# KiCad board BigBoy.kicad_pcb
title: BigBoy
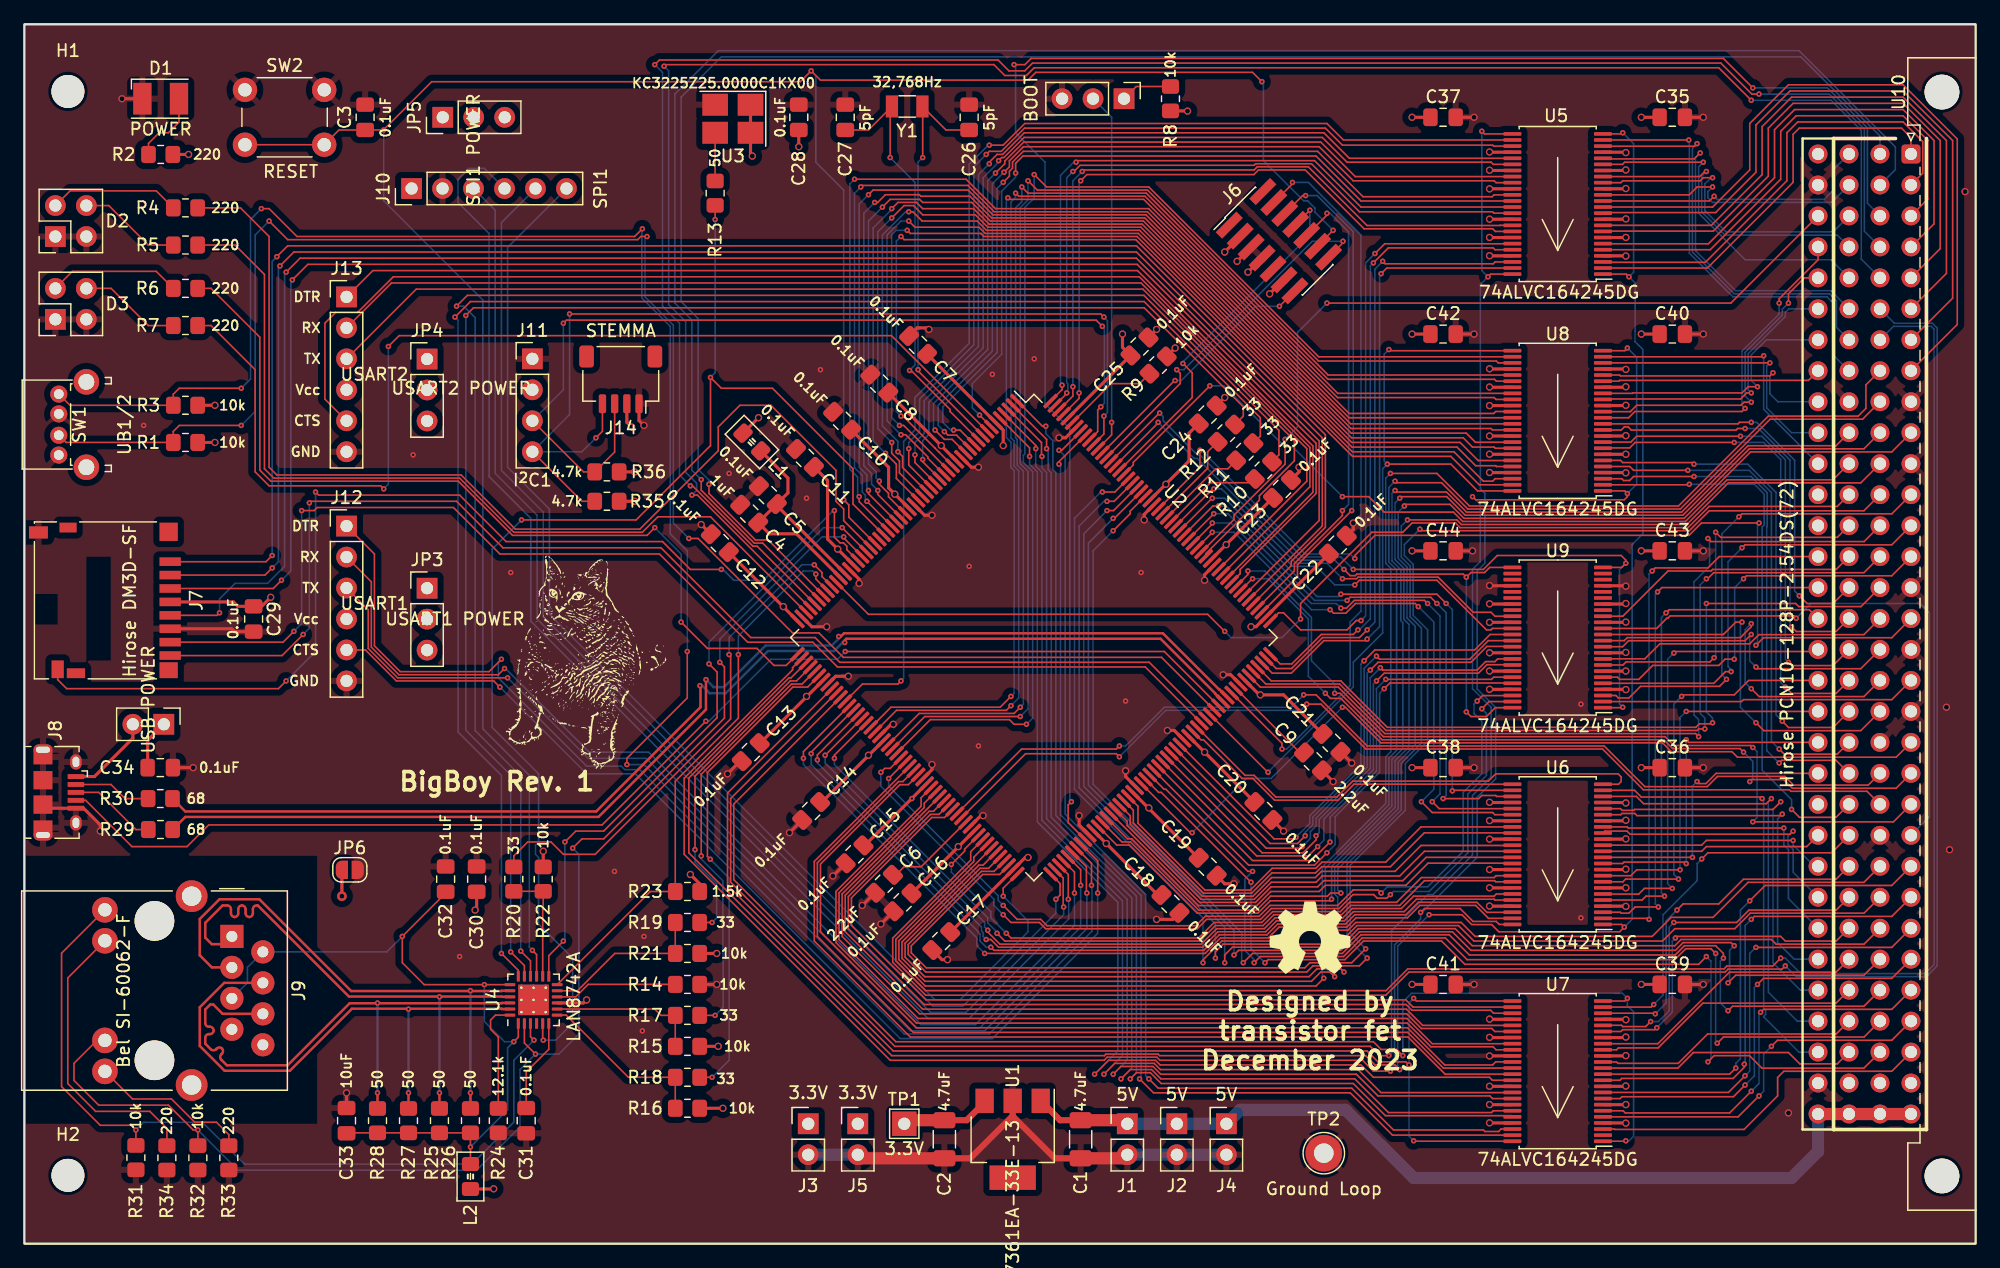
[diagram p0: board, top side]
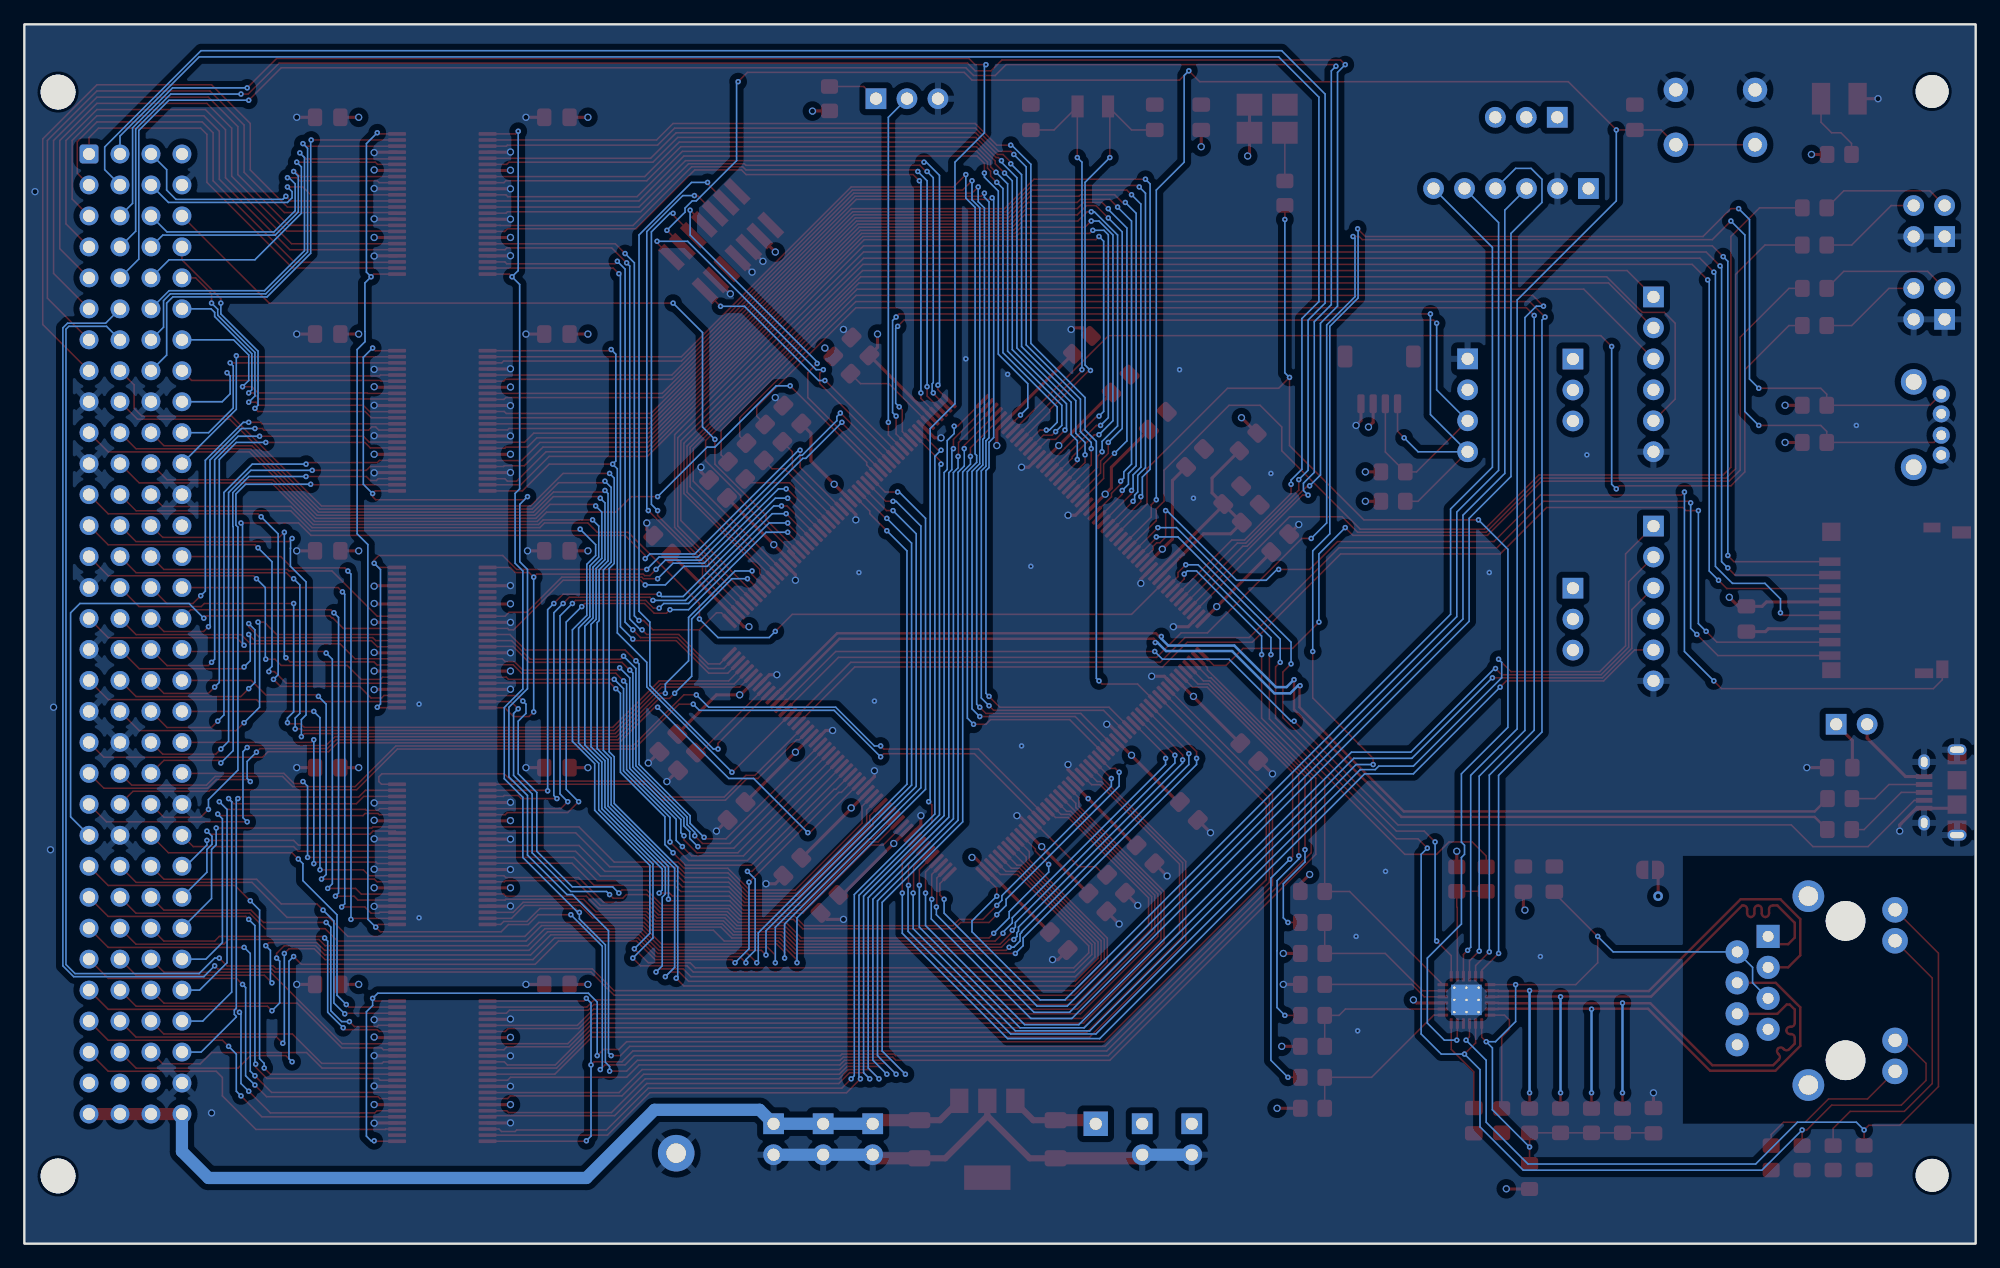
[diagram p1: board, bottom side, seen from below]

Outline 160 x 100 mm; copper layers: Top, In1.Cu, In2.Cu, Bottom. Coordinates in mm from the lower left corner of the outline.
Outline path: rectangle 0,100 160,0
Stack: Top 0.035mm / dielectric 0.1mm FR4 er 4.5 / In1.Cu 0.035mm / dielectric 1.24mm FR4 er 4.5 / In2.Cu 0.035mm / dielectric 0.1mm FR4 er 4.5 / Bottom 0.035mm

## Placement (name value [footprint] x y rotation side)
C1  4.7uF  [C_1206_3216Metric_Pad1.33x1.80mm_HandSolder]  86.61 8.56 270 top
C2  4.7uF  [C_1206_3216Metric_Pad1.33x1.80mm_HandSolder]  75.44 8.56 270 top
C3  0.1uF  [C_0805_2012Metric_Pad1.18x1.45mm_HandSolder]  27.94 92.38 90 top
C4  1uF  [C_0805_2012Metric_Pad1.18x1.45mm_HandSolder]  59.44 59.87 315 top
C5  0.1uF  [C_0805_2012Metric_Pad1.18x1.45mm_HandSolder]  60.96 61.39 315 top
C6  2.2uF  [C_0805_2012Metric_Pad1.18x1.45mm_HandSolder]  70.48 29.52 225 top
C7  0.1uF  [C_0805_2012Metric_Pad1.18x1.45mm_HandSolder]  73.28 73.71 135 top
C8  0.1uF  [C_0805_2012Metric_Pad1.18x1.45mm_HandSolder]  70.1 70.54 135 top
C9  2.2uF  [C_0805_2012Metric_Pad1.18x1.45mm_HandSolder]  105.66 39.55 315 top
C10  0.1uF  [C_0805_2012Metric_Pad1.18x1.45mm_HandSolder]  67.06 67.49 135 top
C11  0.1uF  [C_0805_2012Metric_Pad1.18x1.45mm_HandSolder]  64.01 64.44 135 top
C12  0.1uF  [C_0805_2012Metric_Pad1.18x1.45mm_HandSolder]  57.02 57.46 135 top
C13  0.1uF  [C_0805_2012Metric_Pad1.18x1.45mm_HandSolder]  59.56 40.31 225 top
C14  0.1uF  [C_0805_2012Metric_Pad1.18x1.45mm_HandSolder]  64.52 35.48 225 top
C15  0.1uF  [C_0805_2012Metric_Pad1.18x1.45mm_HandSolder]  68.07 31.93 225 top
C16  0.1uF  [C_0805_2012Metric_Pad1.18x1.45mm_HandSolder]  72.01 27.99 225 top
C17  0.1uF  [C_0805_2012Metric_Pad1.18x1.45mm_HandSolder]  75.18 24.82 225 top
C18  0.1uF  [C_0805_2012Metric_Pad1.18x1.45mm_HandSolder]  93.98 27.86 315 top
C19  0.1uF  [C_0805_2012Metric_Pad1.18x1.45mm_HandSolder]  97.03 30.91 315 top
C20  0.1uF  [C_0805_2012Metric_Pad1.18x1.45mm_HandSolder]  101.6 35.48 315 top
C21  0.1uF  [C_0805_2012Metric_Pad1.18x1.45mm_HandSolder]  107.19 41.07 315 top
C22  0.1uF  [C_0805_2012Metric_Pad1.18x1.45mm_HandSolder]  107.7 57.33 45 top
C23  0.1uF  [C_0805_2012Metric_Pad1.18x1.45mm_HandSolder]  103.12 61.9 45 top
C24  0.1uF  [C_0805_2012Metric_Pad1.18x1.45mm_HandSolder]  97.03 68 45 top
C25  0.1uF  [C_0805_2012Metric_Pad1.18x1.45mm_HandSolder]  91.44 73.58 45 top
C26  5pF  [C_0805_2012Metric_Pad1.18x1.45mm_HandSolder]  77.47 92.38 90 top
C27  5pF  [C_0805_2012Metric_Pad1.18x1.45mm_HandSolder]  67.31 92.38 90 top
C28  0.1uF  [C_0805_2012Metric_Pad1.18x1.45mm_HandSolder]  63.5 92.38 90 top
C29  0.1uF  [C_0805_2012Metric_Pad1.18x1.45mm_HandSolder]  18.8 51.23 270 top
C30  0.1uF  [C_0805_2012Metric_Pad1.18x1.45mm_HandSolder]  37.08 29.9 90 top
C31  0.1uF  [C_0805_2012Metric_Pad1.18x1.45mm_HandSolder]  41.15 10.08 270 top
C32  0.1uF  [C_0805_2012Metric_Pad1.18x1.45mm_HandSolder]  34.54 29.9 90 top
C33  10uF  [C_0805_2012Metric_Pad1.18x1.45mm_HandSolder]  26.42 10.08 90 top
C34  0.1uF  [C_0805_2012Metric_Pad1.18x1.45mm_HandSolder]  11.14 39.04 0 top
C35  0.1uF  [C_0805_2012Metric_Pad1.18x1.45mm_HandSolder]  135.13 92.38 180 top
C36  0.1uF  [C_0805_2012Metric_Pad1.18x1.45mm_HandSolder]  135.13 39.04 180 top
C37  0.1uF  [C_0805_2012Metric_Pad1.18x1.45mm_HandSolder]  116.33 92.38 0 top
C38  0.1uF  [C_0805_2012Metric_Pad1.18x1.45mm_HandSolder]  116.33 39.04 0 top
C39  0.1uF  [C_0805_2012Metric_Pad1.18x1.45mm_HandSolder]  135.13 21.26 180 top
C40  0.1uF  [C_0805_2012Metric_Pad1.18x1.45mm_HandSolder]  135.13 74.6 180 top
C41  0.1uF  [C_0805_2012Metric_Pad1.18x1.45mm_HandSolder]  116.33 21.26 0 top
C42  0.1uF  [C_0805_2012Metric_Pad1.18x1.45mm_HandSolder]  116.33 74.6 0 top
C43  0.1uF  [C_0805_2012Metric_Pad1.18x1.45mm_HandSolder]  135.13 56.82 180 top
C44  0.1uF  [C_0805_2012Metric_Pad1.18x1.45mm_HandSolder]  116.33 56.82 0 top
D1  POWER  [LED_PLCC-2_3.4x3.0mm_KA]  11.18 93.9 0 top
D2  Harvatek HV-32312  [Harvatek_HV-32312-260-2SUB]  3.81 83.87 0 top
D3  Harvatek HV-32312  [Harvatek_HV-32312-260-2SUB]  3.81 77.08 0 top
H1  MountingHole  [MountingHole_2.7mm_M2.5_DIN965]  3.57 94.5 0 top
H2  MountingHole  [MountingHole_2.7mm_M2.5_DIN965]  3.57 5.6 0 top
J1  5V  [PinHeader_1x02_P2.54mm_Vertical]  90.44 9.83 0 top
J2  5V  [PinHeader_1x02_P2.54mm_Vertical]  94.5 9.83 0 top
J3  3.3V  [PinHeader_1x02_P2.54mm_Vertical]  64.28 9.83 0 top
J4  5V  [PinHeader_1x02_P2.54mm_Vertical]  98.57 9.83 0 top
J5  3.3V  [PinHeader_1x02_P2.54mm_Vertical]  68.34 9.83 0 top
J6  Conn_ST_STDC14  [PinHeader_2x07_P1.27mm_Vertical_SMD]  102.87 82.22 45 top
J7  Hirose DM3D-SF  [microSD_HC_Hirose_DM3D-SF]  6.6 52.76 90 top
J8  Amphenol 10118194-0001LF  [USB_Micro-B_Amphenol_10118194_Horizontal]  2.82 37.01 270 top
J9  Bel SI-60062-F  [RJ45_Bel_SI-60062-F]  17.01 25.2 270 top
J10  SPI1  [PinHeader_1x06_P2.54mm_Vertical]  31.75 86.54 90 top
J11  I^{2}C1  [PinHeader_1x04_P2.54mm_Vertical]  41.66 72.57 0 top
J12  USART1  [PinHeader_1x06_P2.54mm_Vertical]  26.42 58.85 0 top
J13  USART2  [PinHeader_1x06_P2.54mm_Vertical]  26.42 77.65 0 top
J14  STEMMA  [JST_SH_SM04B-SRSS-TB_1x04-1MP_P1.00mm_Horizontal]  48.9 70.89 180 top
JP1  BOOT  [PinHeader_1x03_P2.54mm_Vertical]  90.17 93.9 270 top
JP2  USB POWER  [PinHeader_1x02_P2.54mm_Vertical]  11.44 42.6 270 top
JP3  USART1 POWER  [PinHeader_1x03_P2.54mm_Vertical]  33.02 53.76 0 top
JP4  USART2 POWER  [PinHeader_1x03_P2.54mm_Vertical]  33.02 72.55 0 top
JP5  SPI1 POWER  [PinHeader_1x03_P2.54mm_Vertical]  34.31 92.38 90 top
JP6  SH  [SolderJumper-2_P1.3mm_Open_RoundedPad1.0x1.5mm]  26.69 30.66 0 top
L1  600Ω @ 100MHz (MI0805K601R-10)  [Ferrite_0805_2012Metric_Pad1.15x1.40mm_BigPads]  59.65 65.75 135 top
L2  600Ω @ 100MHz (MI0805K601R-10)  [Ferrite_0805_2012Metric_Pad1.15x1.40mm_BigPads]  36.58 5.5 270 top
R1  10k  [R_0805_2012Metric_Pad1.20x1.40mm_HandSolder]  13.21 65.71 180 top
R2  220  [R_0805_2012Metric_Pad1.20x1.40mm_HandSolder]  11.18 89.33 180 top
R3  10k  [R_0805_2012Metric_Pad1.20x1.40mm_HandSolder]  13.21 68.76 180 top
R4  220  [R_0805_2012Metric_Pad1.20x1.40mm_HandSolder]  13.21 84.95 180 top
R5  220  [R_0805_2012Metric_Pad1.20x1.40mm_HandSolder]  13.21 81.9 180 top
R6  220  [R_0805_2012Metric_Pad1.20x1.40mm_HandSolder]  13.21 78.35 180 top
R7  220  [R_0805_2012Metric_Pad1.20x1.40mm_HandSolder]  13.21 75.3 180 top
R8  10k  [R_0805_2012Metric_Pad1.20x1.40mm_HandSolder]  93.98 93.9 90 top
R9  10k  [R_0805_2012Metric_Pad1.20x1.40mm_HandSolder]  92.96 72.06 225 top
R10  33  [R_0805_2012Metric_Pad1.20x1.40mm_HandSolder]  101.6 63.42 45 top
R11  33  [R_0805_2012Metric_Pad1.20x1.40mm_HandSolder]  100.08 64.95 45 top
R12  33  [R_0805_2012Metric_Pad1.20x1.40mm_HandSolder]  98.55 66.47 45 top
R13  50  [R_0805_2012Metric_Pad1.20x1.40mm_HandSolder]  56.64 86.16 270 top
R14  10k  [R_0805_2012Metric_Pad1.20x1.40mm_HandSolder]  54.37 21.26 0 top
R15  10k  [R_0805_2012Metric_Pad1.20x1.40mm_HandSolder]  54.37 16.18 180 top
R16  10k  [R_0805_2012Metric_Pad1.20x1.40mm_HandSolder]  54.37 11.1 180 top
R17  33  [R_0805_2012Metric_Pad1.20x1.40mm_HandSolder]  54.37 18.72 180 top
R18  33  [R_0805_2012Metric_Pad1.20x1.40mm_HandSolder]  54.37 13.64 180 top
R19  33  [R_0805_2012Metric_Pad1.20x1.40mm_HandSolder]  54.37 26.34 180 top
R20  33  [R_0805_2012Metric_Pad1.20x1.40mm_HandSolder]  40.13 29.9 270 top
R21  10k  [R_0805_2012Metric_Pad1.20x1.40mm_HandSolder]  54.37 23.8 180 top
R22  10k  [R_0805_2012Metric_Pad1.20x1.40mm_HandSolder]  42.55 29.9 270 top
R23  1.5k  [R_0805_2012Metric_Pad1.20x1.40mm_HandSolder]  54.37 28.88 180 top
R24  12.1k  [R_0805_2012Metric_Pad1.20x1.40mm_HandSolder]  38.86 10.08 270 top
R25  50  [R_0805_2012Metric_Pad1.20x1.40mm_HandSolder]  34.04 10.08 90 top
R26  50  [R_0805_2012Metric_Pad1.20x1.40mm_HandSolder]  36.58 10.08 90 top
R27  50  [R_0805_2012Metric_Pad1.20x1.40mm_HandSolder]  31.5 10.08 90 top
R28  50  [R_0805_2012Metric_Pad1.20x1.40mm_HandSolder]  28.96 10.08 90 top
R29  68  [R_0805_2012Metric_Pad1.20x1.40mm_HandSolder]  11.16 33.96 0 top
R30  68  [R_0805_2012Metric_Pad1.20x1.40mm_HandSolder]  11.14 36.5 0 top
R31  10k  [R_0805_2012Metric_Pad1.20x1.40mm_HandSolder]  9.14 7.05 270 top
R32  10k  [R_0805_2012Metric_Pad1.20x1.40mm_HandSolder]  14.22 7.04 270 top
R33  220  [R_0805_2012Metric_Pad1.20x1.40mm_HandSolder]  16.76 7.04 270 top
R34  220  [R_0805_2012Metric_Pad1.20x1.40mm_HandSolder]  11.68 7.04 270 top
R35  4.7k  [R_0805_2012Metric_Pad1.20x1.40mm_HandSolder]  47.77 60.88 180 top
R36  4.7k  [R_0805_2012Metric_Pad1.20x1.40mm_HandSolder]  47.77 63.3 180 top
S1  Logo_Open_Hardware_Small  [OSHW-Symbol_6.7x6mm_SilkScreen]  105.41 25.07 0 top
SW1  UB1/2  [E-Switch_TL2243]  2.82 67.18 90 top
SW2  RESET  [SW_PUSH_6mm]  18.09 94.63 0 top
TP1  3.3V  [TestPoint_THTPad_2.0x2.0mm_Drill1.0mm]  72.15 9.83 0 top
TP2  Ground Loop  [TestPoint_Loop_D2.60mm_Drill1.6mm_Beaded]  106.55 7.42 0 top
U1  AP7361EA-33E-13  [SOT-223]  81.04 8.56 270 top
U2  STM32H743BITx  [LQFP-208_28x28mm_P0.5mm]  82.78 49.71 315 top
U3  KC3225Z25.0000C1KX00  [Crystal_SMD_3225-4Pin_3.2x2.5mm_HandSoldering]  58.09 92.26 180 top
U4  LAN8742A  [VQFN-24-1EP_4x4mm_P0.5mm_EP2.5x2.5mm_ThermalVias]  41.75 19.99 90 top
U5  74ALVC164245DG  [TSSOP-48_6.1x12.5mm_P0.5mm]  125.73 85.27 180 top
U6  74ALVC164245DG  [TSSOP-48_6.1x12.5mm_P0.5mm]  125.73 31.93 180 top
U7  74ALVC164245DG  [TSSOP-48_6.1x12.5mm_P0.5mm]  125.73 14.15 180 top
U8  74ALVC164245DG  [TSSOP-48_6.1x12.5mm_P0.5mm]  125.73 67.49 180 top
U9  74ALVC164245DG  [TSSOP-48_6.1x12.5mm_P0.5mm]  125.73 49.71 180 top
U10  Hirose PCN10-128P-2.54DS(72)  [DIN41612_C_4x32_Male_Horizontal_THT]  154.7 89.37 270 top
Y1  32,768Hz  [Crystal_SMD_3215-2Pin_3.2x1.5mm]  72.39 93.27 180 top

## Library data of the parts
C1-C44 = -: Description: Unpolarized capacitor, small symbol
D1 = -: Description: Light emitting diode
D2 D3 = -: Description: Dual LED, cathodes on pins 2 and 4
H1 H2 = -: Description: Mounting Hole without connection
J1-J5 = -: Description: Generic connector, single row, 01x02, script generated (kicad-library-utils/schlib/autogen/connector/)
J6 = -: Description: ST Debug Connector, standard ARM Cortex-M SWD and JTAG interface plus UART
J7 = -: Description: Micro SD Card Socket with one card detection pin
J8 = -: Description: USB Micro Type B connector
J9 = -: Description: 1 Port RJ45 Magjack Connector Through Hole 10/100 Base-T, AutoMDIX
J10 J12 J13 = -: Description: Generic connector, single row, 01x06, script generated (kicad-library-utils/schlib/autogen/connector/)
J11 = -: Description: Generic connector, single row, 01x04, script generated (kicad-library-utils/schlib/autogen/connector/)
J14 = -: Description: Generic connector, single row, 01x04, script generated
JP1 JP3-JP5 = -: Description: Jumper, 3-pole, pins 1+2 closed/bridged
JP2 = -: Description: Jumper, 2-pole, open
JP6 = -: Description: Solder Jumper, 2-pole, open
L1 L2 = -: Description: Inductor with ferrite core, small symbol
R1-R36 = -: Description: Resistor, small symbol
S1 = -: Description: Open Hardware logo, small; Sim.Enable: 0
SW1 = -: Description: Push button switch, generic, separate symbols, four pins
SW2 = -: Description: Push button switch, generic, two pins
TP1 TP2 = -: Description: test point
U1 = -: Description: 1A Low Dropout regulator, positive, 3.3V fixed output, SOT-223
U2 = -: Description: STMicroelectronics Arm Cortex-M7 MCU, 2048KB flash, 1024KB RAM, 480 MHz, 1.62-3.6V, 168 GPIO, LQFP208
U3 = -: Description: 1.8432MHz ~ 125MHz Crystal Oscillator
U4 = -: Description: LAN8720 Ethernet PHY with RMII interface, QFN-24
U5-U9 = -: Description: 16-Bit Dual Supply Bidirectional Translating Transceiver with 5V Tolerant Inputs and Outputs, TSSOP-48
U10 = -: Description: VME64 P1 (Board-side Headers), 4 Row (Non-Standard) DIN41612 Connector
Y1 = -: Description: Two pin crystal

## Footprints (pads in the part's own frame, mm; a bottom-side part is the same pattern mirrored in y, then rotated)
C_0805_2012Metric_Pad1.18x1.45mm_HandSolder
  rrect 1.175x1.45 smd: 1(-1.038,0) 2(1.038,0)
C_1206_3216Metric_Pad1.33x1.80mm_HandSolder
  rrect 1.325x1.8 smd: 1(-1.562,0) 2(1.562,0)
Crystal_SMD_3215-2Pin_3.2x1.5mm
  rect 1x1.8 smd: 1(1.25,0) 2(-1.25,0)
Crystal_SMD_3225-4Pin_3.2x2.5mm_HandSoldering
  rect 2.1x1.8 smd: 1(-1.45,-1.15) 2(1.45,-1.15) 3(1.45,1.15) 4(-1.45,1.15)
DIN41612_C_4x32_Male_Horizontal_THT
  round 2.85 hole 2.85 unplated: (-5.08,2.54) (83.82,2.54)
  rrect 1.55x1.55 hole 1: a1(0,0)
  round 1.55 hole 1: a2(2.54,0) a3(5.08,0) a4(7.62,0) a5(10.16,0) a6(12.7,0) a7(15.24,0) a8(17.78,0) a9(20.32,0) a10(22.86,0) a11(25.4,0) a12(27.94,0) a13(30.48,0) a14(33.02,0) a15(35.56,0) a16(38.1,0) a17(40.64,0) a18(43.18,0) a19(45.72,0) a20(48.26,0) a21(50.8,0) a22(53.34,0) a23(55.88,0) a24(58.42,0) a25(60.96,0) a26(63.5,0) a27(66.04,0) a28(68.58,0) a29(71.12,0) a30(73.66,0) a31(76.2,0) a32(78.74,0) b1(0,-2.54) b2(2.54,-2.54) b3(5.08,-2.54) b4(7.62,-2.54) b5(10.16,-2.54) b6(12.7,-2.54) b7(15.24,-2.54) b8(17.78,-2.54) b9(20.32,-2.54) b10(22.86,-2.54) b11(25.4,-2.54) b12(27.94,-2.54) b13(30.48,-2.54) b14(33.02,-2.54) b15(35.56,-2.54) b16(38.1,-2.54) b17(40.64,-2.54) b18(43.18,-2.54) b19(45.72,-2.54) b20(48.26,-2.54) b21(50.8,-2.54) b22(53.34,-2.54) b23(55.88,-2.54) b24(58.42,-2.54) b25(60.96,-2.54) b26(63.5,-2.54) b27(66.04,-2.54) b28(68.58,-2.54) b29(71.12,-2.54) b30(73.66,-2.54) b31(76.2,-2.54) b32(78.74,-2.54) c1(0,-5.08) c2(2.54,-5.08) c3(5.08,-5.08) c4(7.62,-5.08) c5(10.16,-5.08) c6(12.7,-5.08) c7(15.24,-5.08) c8(17.78,-5.08) c9(20.32,-5.08) c10(22.86,-5.08) c11(25.4,-5.08) c12(27.94,-5.08) c13(30.48,-5.08) c14(33.02,-5.08) c15(35.56,-5.08) c16(38.1,-5.08) c17(40.64,-5.08) c18(43.18,-5.08) c19(45.72,-5.08) c20(48.26,-5.08) c21(50.8,-5.08) c22(53.34,-5.08) c23(55.88,-5.08) c24(58.42,-5.08) c25(60.96,-5.08) c26(63.5,-5.08) c27(66.04,-5.08) c28(68.58,-5.08) c29(71.12,-5.08) c30(73.66,-5.08) c31(76.2,-5.08) c32(78.74,-5.08) d1(0,-7.62) d2(2.54,-7.62) d3(5.08,-7.62) d4(7.62,-7.62) d5(10.16,-7.62) d6(12.7,-7.62) d7(15.24,-7.62) d8(17.78,-7.62) d9(20.32,-7.62) d10(22.86,-7.62) d11(25.4,-7.62) d12(27.94,-7.62) d13(30.48,-7.62) d14(33.02,-7.62) d15(35.56,-7.62) d16(38.1,-7.62) d17(40.64,-7.62) d18(43.18,-7.62) d19(45.72,-7.62) d20(48.26,-7.62) d21(50.8,-7.62) d22(53.34,-7.62) d23(55.88,-7.62) d24(58.42,-7.62) d25(60.96,-7.62) d26(63.5,-7.62) d27(66.04,-7.62) d28(68.58,-7.62) d29(71.12,-7.62) d30(73.66,-7.62) d31(76.2,-7.62) d32(78.74,-7.62)
E-Switch_TL2243
  round 2.1 hole 1.3: (-3.5,-2.26) (3.5,-2.26)
  round 1.4 hole 0.8: 1(-2.5,0) 2(-0.875,0) 3(0.875,0) 4(2.5,0)
Ferrite_0805_2012Metric_Pad1.15x1.40mm_BigPads
  rrect 1.15x1.4 smd: 1(-1.025,0) 2(1.025,0)
Harvatek_HV-32312-260-2SUB
  oval 1.7x1.7 hole 1: 1(1.27,1.27) 2(1.27,-1.27) 3(-1.27,1.27)
  rect 1.7x1.7 hole 1: 4(-1.27,-1.27)
JST_SH_SM04B-SRSS-TB_1x04-1MP_P1.00mm_Horizontal
  rrect 0.6x1.55 smd: 1(-1.5,2) 2(-0.5,2) 3(0.5,2) 4(1.5,2)
  rrect 1.2x1.8 smd: MP(-2.8,-1.875) MP(2.8,-1.875)
LED_PLCC-2_3.4x3.0mm_KA
  rect 1.5x2.6 smd: 1(-1.5,0) 2(1.5,0)
LQFP-208_28x28mm_P0.5mm
  rrect 1.5x0.3 smd: 1(-14.675,12.75) 2(-14.675,12.25) 3(-14.675,11.75) 4(-14.675,11.25) 5(-14.675,10.75) 6(-14.675,10.25) 7(-14.675,9.75) 8(-14.675,9.25) 9(-14.675,8.75) 10(-14.675,8.25) 11(-14.675,7.75) 12(-14.675,7.25) 13(-14.675,6.75) 14(-14.675,6.25) 15(-14.675,5.75) 16(-14.675,5.25) 17(-14.675,4.75) 18(-14.675,4.25) 19(-14.675,3.75) 20(-14.675,3.25) 21(-14.675,2.75) 22(-14.675,2.25) 23(-14.675,1.75) 24(-14.675,1.25) 25(-14.675,0.75) 26(-14.675,0.25) 27(-14.675,-0.25) 28(-14.675,-0.75) 29(-14.675,-1.25) 30(-14.675,-1.75) 31(-14.675,-2.25) 32(-14.675,-2.75) 33(-14.675,-3.25) 34(-14.675,-3.75) 35(-14.675,-4.25) 36(-14.675,-4.75) 37(-14.675,-5.25) 38(-14.675,-5.75) 39(-14.675,-6.25) 40(-14.675,-6.75) 41(-14.675,-7.25) 42(-14.675,-7.75) 43(-14.675,-8.25) 44(-14.675,-8.75) 45(-14.675,-9.25) 46(-14.675,-9.75) 47(-14.675,-10.25) 48(-14.675,-10.75) 49(-14.675,-11.25) 50(-14.675,-11.75) 51(-14.675,-12.25) 52(-14.675,-12.75) 105(14.675,-12.75) 106(14.675,-12.25) 107(14.675,-11.75) 108(14.675,-11.25) 109(14.675,-10.75) 110(14.675,-10.25) 111(14.675,-9.75) 112(14.675,-9.25) 113(14.675,-8.75) 114(14.675,-8.25) 115(14.675,-7.75) 116(14.675,-7.25) 117(14.675,-6.75) 118(14.675,-6.25) 119(14.675,-5.75) 120(14.675,-5.25) 121(14.675,-4.75) 122(14.675,-4.25) 123(14.675,-3.75) 124(14.675,-3.25) 125(14.675,-2.75) 126(14.675,-2.25) 127(14.675,-1.75) 128(14.675,-1.25) 129(14.675,-0.75) 130(14.675,-0.25) 131(14.675,0.25) 132(14.675,0.75) 133(14.675,1.25) 134(14.675,1.75) 135(14.675,2.25) 136(14.675,2.75) 137(14.675,3.25) 138(14.675,3.75) 139(14.675,4.25) 140(14.675,4.75) 141(14.675,5.25) 142(14.675,5.75) 143(14.675,6.25) 144(14.675,6.75) 145(14.675,7.25) 146(14.675,7.75) 147(14.675,8.25) 148(14.675,8.75) 149(14.675,9.25) 150(14.675,9.75) 151(14.675,10.25) 152(14.675,10.75) 153(14.675,11.25) 154(14.675,11.75) 155(14.675,12.25) 156(14.675,12.75)
  rrect 0.3x1.5 smd: 53(-12.75,-14.675) 54(-12.25,-14.675) 55(-11.75,-14.675) 56(-11.25,-14.675) 57(-10.75,-14.675) 58(-10.25,-14.675) 59(-9.75,-14.675) 60(-9.25,-14.675) 61(-8.75,-14.675) 62(-8.25,-14.675) 63(-7.75,-14.675) 64(-7.25,-14.675) 65(-6.75,-14.675) 66(-6.25,-14.675) 67(-5.75,-14.675) 68(-5.25,-14.675) 69(-4.75,-14.675) 70(-4.25,-14.675) 71(-3.75,-14.675) 72(-3.25,-14.675) 73(-2.75,-14.675) 74(-2.25,-14.675) 75(-1.75,-14.675) 76(-1.25,-14.675) 77(-0.75,-14.675) 78(-0.25,-14.675) 79(0.25,-14.675) 80(0.75,-14.675) 81(1.25,-14.675) 82(1.75,-14.675) 83(2.25,-14.675) 84(2.75,-14.675) 85(3.25,-14.675) 86(3.75,-14.675) 87(4.25,-14.675) 88(4.75,-14.675) 89(5.25,-14.675) 90(5.75,-14.675) 91(6.25,-14.675) 92(6.75,-14.675) 93(7.25,-14.675) 94(7.75,-14.675) 95(8.25,-14.675) 96(8.75,-14.675) 97(9.25,-14.675) 98(9.75,-14.675) 99(10.25,-14.675) 100(10.75,-14.675) 101(11.25,-14.675) 102(11.75,-14.675) 103(12.25,-14.675) 104(12.75,-14.675) 157(12.75,14.675) 158(12.25,14.675) 159(11.75,14.675) 160(11.25,14.675) 161(10.75,14.675) 162(10.25,14.675) 163(9.75,14.675) 164(9.25,14.675) 165(8.75,14.675) 166(8.25,14.675) 167(7.75,14.675) 168(7.25,14.675) 169(6.75,14.675) 170(6.25,14.675) 171(5.75,14.675) 172(5.25,14.675) 173(4.75,14.675) 174(4.25,14.675) 175(3.75,14.675) 176(3.25,14.675) 177(2.75,14.675) 178(2.25,14.675) 179(1.75,14.675) 180(1.25,14.675) 181(0.75,14.675) 182(0.25,14.675) 183(-0.25,14.675) 184(-0.75,14.675) 185(-1.25,14.675) 186(-1.75,14.675) 187(-2.25,14.675) 188(-2.75,14.675) 189(-3.25,14.675) 190(-3.75,14.675) 191(-4.25,14.675) 192(-4.75,14.675) 193(-5.25,14.675) 194(-5.75,14.675) 195(-6.25,14.675) 196(-6.75,14.675) 197(-7.25,14.675) 198(-7.75,14.675) 199(-8.25,14.675) 200(-8.75,14.675) 201(-9.25,14.675) 202(-9.75,14.675) 203(-10.25,14.675) 204(-10.75,14.675) 205(-11.25,14.675) 206(-11.75,14.675) 207(-12.25,14.675) 208(-12.75,14.675)
microSD_HC_Hirose_DM3D-SF
  rect 0.7x1.75 smd: 1(3.175,-5.35) 2(2.075,-5.35) 3(0.975,-5.35) 4(-0.125,-5.35) 5(-1.225,-5.35) 6(-2.325,-5.35) 7(-3.425,-5.35) 8(-4.525,-5.35)
  rect 1.45x1 smd: 9(-5.65,3.875)
  rect 1x1.55 smd: 10(5.575,5.45)
  rect 0.8x1.5 smd: 11(-5.975,2.375)
  rect 1.3x1.5 smd: 11(-5.725,-5.225)
  rect 1.5x1.5 smd: 11(5.625,-5.225)
  rect 0.8x1.4 smd: 11(5.975,3.025)
MountingHole_2.7mm_M2.5_DIN965
  round 2.7 hole 2.7 unplated: (0,0)
PinHeader_1x02_P2.54mm_Vertical
  rect 1.7x1.7 hole 1: 1(0,0)
  oval 1.7x1.7 hole 1: 2(0,-2.54)
PinHeader_1x03_P2.54mm_Vertical
  rect 1.7x1.7 hole 1: 1(0,0)
  oval 1.7x1.7 hole 1: 2(0,-2.54) 3(0,-5.08)
PinHeader_1x04_P2.54mm_Vertical
  rect 1.7x1.7 hole 1: 1(0,0)
  oval 1.7x1.7 hole 1: 2(0,-2.54) 3(0,-5.08) 4(0,-7.62)
PinHeader_1x06_P2.54mm_Vertical
  rect 1.7x1.7 hole 1: 1(0,0)
  oval 1.7x1.7 hole 1: 2(0,-2.54) 3(0,-5.08) 4(0,-7.62) 5(0,-10.16) 6(0,-12.7)
PinHeader_2x07_P1.27mm_Vertical_SMD
  rect 2.4x0.74 smd: 1(-1.95,3.81) 2(1.95,3.81) 3(-1.95,2.54) 4(1.95,2.54) 5(-1.95,1.27) 6(1.95,1.27) 7(-1.95,0) 8(1.95,0) 9(-1.95,-1.27) 10(1.95,-1.27) 11(-1.95,-2.54) 12(1.95,-2.54) 13(-1.95,-3.81) 14(1.95,-3.81)
R_0805_2012Metric_Pad1.20x1.40mm_HandSolder
  rrect 1.2x1.4 smd: 1(-1,0) 2(1,0)
RJ45_Bel_SI-60062-F
  round 3.25 hole 3.25 unplated: (-1.27,-6.35) (10.16,-6.35)
  rect 1.9x1.9 hole 0.9: 1(0,0)
  round 1.9 hole 0.9: 2(1.27,2.54) 3(2.54,0) 4(3.81,2.54) 5(5.08,0) 6(6.35,2.54) 7(7.62,0) 8(8.89,2.54)
  round 2.1 hole 1.1: L1(-2.18,-10.41) L2(0.36,-10.41) L3(8.53,-10.41) L4(11.07,-10.41)
  round 2.6 hole 1.6: SH(-3.3,-3.3) SH(12.19,-3.3)
SolderJumper-2_P1.3mm_Open_RoundedPad1.0x1.5mm